# Altium PCB GiroScope.PcbDoc (part 1 of 4) (continued)
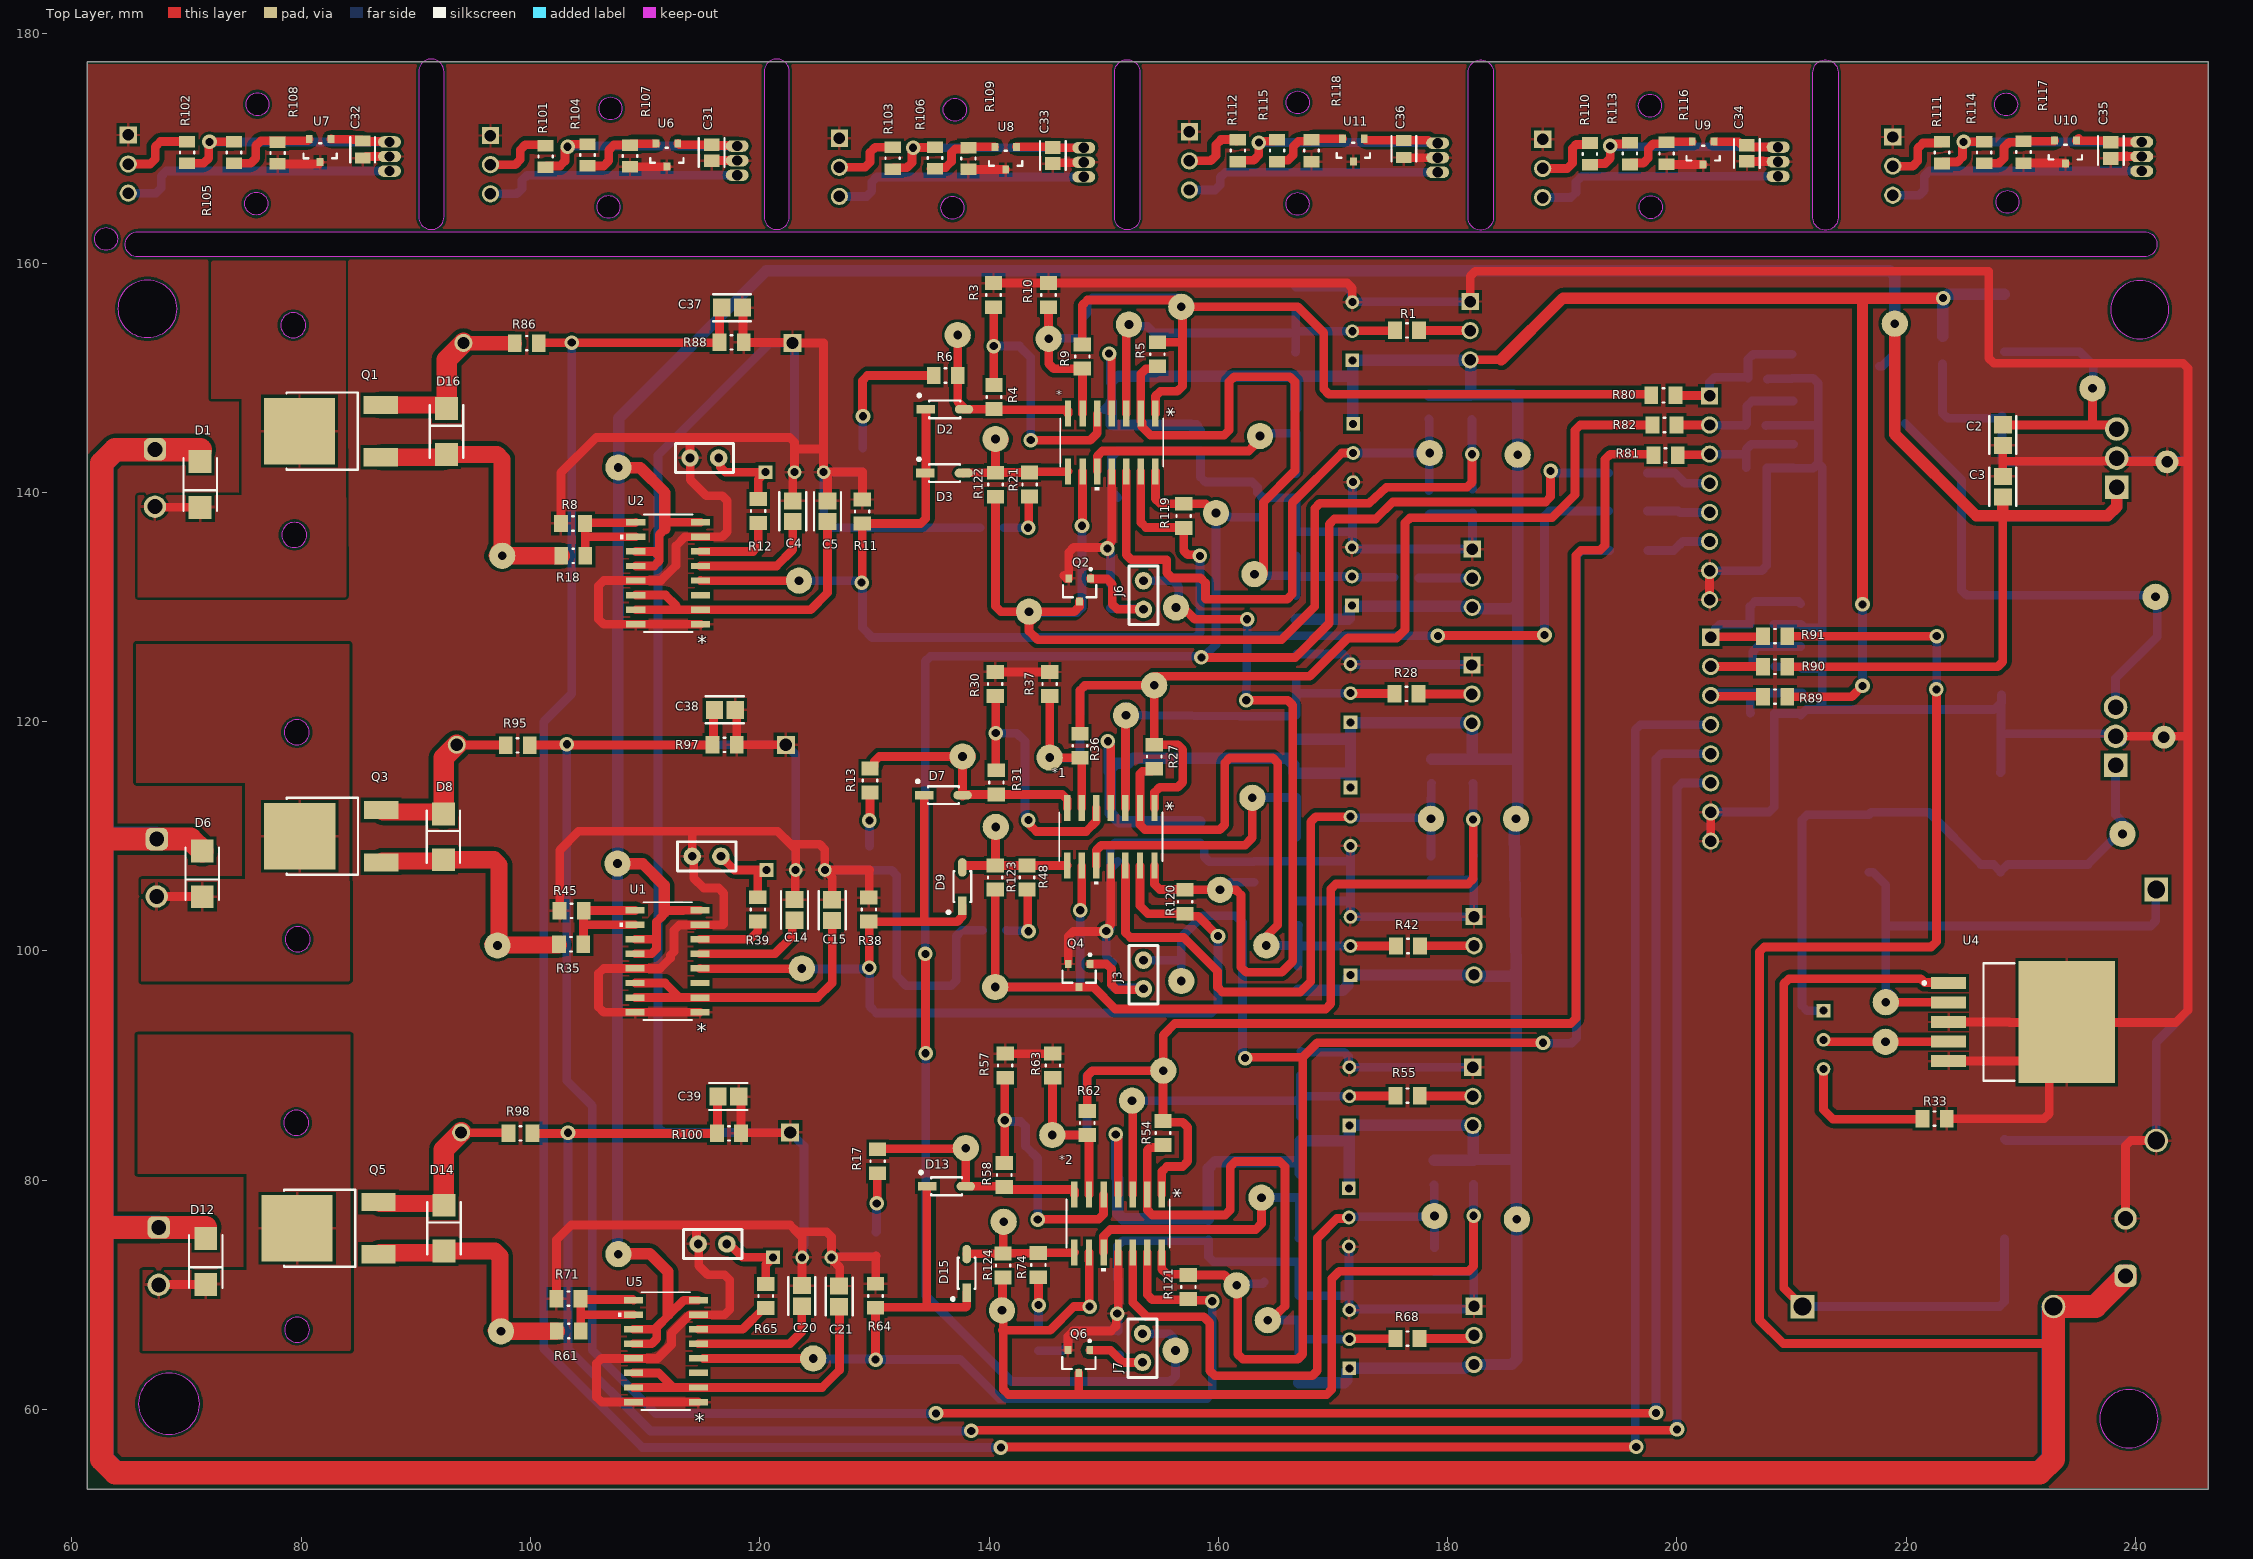
[diagram p0: Top Layer view]
## Components (designator, comment, footprint, x,y, rotation, side; value= is the part's Value field where it differs from the comment)
* "LM324AD_SOIC14" D14-M 150.698,144.348 r270 top
*1 "LM324AD_SOIC14" D14-M 150.622,109.956 r270 top
*2 "LM324AD_SOIC14" D14-M 151.257,76.226 r270 top
C1 "1u" KEMET_C0805C-DN_IPC_A 148.158,154.381 r270 bottom
C2 "10n" KEMET_C0805C-DN_IPC_A 228.422,144.997 r270 top value=10uF
C3 "100n" KEMET_C0805C-DN_IPC_A 228.422,140.487 r90 top value=10uF
C4 "UWX1E101MCL1GB" KEMET_C0805C-DN_IPC_A 122.885,138.354 r270 top
C5 "UWX1E101MCL1GB" KEMET_C0805C-DN_IPC_A 125.908,138.354 r90 top
C6 "EEE1HA101AP" EEEFK1V331P 228.346,142.316 r180 bottom
C7 "EEE1HA101AP" EEEFK1V331P 228.295,126.67 r0 bottom
C8 "EEE1HA101AP" EEEFK1V331P 151.206,75.775 r0 bottom
C9 "1u" KEMET_C0805C-DN_IPC_A 163.805,138.723 r270 bottom
C10 "1u" KEMET_C0805C-DN_IPC_A 158.445,144.526 r90 bottom
C11 "EEE1HA101AP" EEEFK1V331P 228.219,111.22 r180 bottom
C12 "EEE1HA101AP" EEEFK1V331P 228.575,79.229 r180 bottom
C13 "1u" KEMET_C0805C-DN_IPC_A 147.93,119.849 r270 bottom
C14 "UWX1E101MCL1GB" KEMET_C0805C-DN_IPC_A 123.038,103.581 r270 top
C15 "UWX1E101MCL1GB" KEMET_C0805C-DN_IPC_A 126.314,103.556 r90 top
C16 "EEE1HA101AP" EEEFK1V331P 150.673,144.45 r0 bottom
C17 "1u" KEMET_C0805C-DN_IPC_A 163.119,106.883 r270 bottom
C18 "1u" KEMET_C0805C-DN_IPC_A 158.369,110.349 r90 bottom
C19 "1u" KEMET_C0805C-DN_IPC_A 148.539,87.007 r270 bottom
C20 "UWX1E101MCL1GB" KEMET_C0805C-DN_IPC_A 123.673,69.914 r270 top
C21 "UWX1E101MCL1GB" KEMET_C0805C-DN_IPC_A 126.924,69.875 r90 top
C22 "EEE1HA101AP" EEEFK1V331P 150.571,110.471 r0 bottom
C23 "1u" KEMET_C0805C-DN_IPC_A 164.008,72.034 r270 bottom
C24 "1u" KEMET_C0805C-DN_IPC_A 159.131,75.692 r90 bottom
C25 "100pF" KEMET_C0805C-DN_IPC_A 206.985,149.86 r180 bottom
C26 "100pF" KEMET_C0805C-DN_IPC_A 206.846,145.821 r180 bottom
C27 "100pF" KEMET_C0805C-DN_IPC_A 206.934,142.138 r180 bottom
C28 "100pF" KEMET_C0805C-DN_IPC_A 210.896,121.59 r90 bottom
C29 "100pF" KEMET_C0805C-DN_IPC_A 210.795,125.654 r90 bottom
C30 "100pF" KEMET_C0805C-DN_IPC_A 210.795,129.388 r90 bottom
C31 "0.1uF" KEMET_C0805C-DN_IPC_C 115.799,169.621 r90 top
C32 "0.1uF" KEMET_C0805C-DN_MFG 85.369,169.901 r90 top
C33 "0.1uF" KEMET_C0805C-DN_IPC_C 145.567,169.378 r90 top
C34 "0.1uF" KEMET_C0805C-DN_IPC_C 206.104,169.57 r90 top
C35 "0.1uF" KEMET_C0805C-DN_IPC_C 237.846,169.824 r90 top
C36 "0.1uF" KEMET_C0805C-DN_MFG 176.174,169.951 r90 top
C37 "100pF" KEMET_C0805C-DN_IPC_A 117.588,156.108 r180 top
C38 "100pF" KEMET_C0805C-DN_IPC_A 116.955,121.031 r180 top
C39 "100pF" KEMET_C0805C-DN_IPC_A 117.26,87.3 r180 top
CR1 "1N5822RL" DO-201AD_STM 241.808,105.359 r270 bottom
CR2 "1N5822RL" DO-201AD_STM 210.947,68.986 r0 bottom
D1 "SS16" ON_Semi_403D_MFG 71.196,140.691 r90 top
D2 "1N4148W-7-F" Vishay_S8-V-3910_01-001_IPC_A 136.144,147.244 r0 top
D3 "1N4148W-7-F" Vishay_S8-V-3910_01-001_IPC_A 136.119,141.681 r0 top
D4 "LED2" Wurth_Electronics_0_MFG 128.981,142.824 r270 bottom
D5 "LED2" Wurth_Electronics_0_MFG 140.259,136.906 r180 bottom
D6 "SS16" ON_Semi_403D_MFG 71.374,106.731 r90 top
D7 "1N4148W-7-F" Vishay_S8-V-3910_01-001_IPC_A 136.017,113.589 r0 top
D8 "SS16" ON_Semi_403D_MFG 92.405,109.957 r270 top
D9 "1N4148W-7-F" Vishay_S8-V-3910_01-001_IPC_A 137.668,105.613 r90 top
D10 "LED2" Wurth_Electronics_0_MFG 129.565,108.102 r270 bottom
D11 "LED2" Wurth_Electronics_0_MFG 140.479,101.803 r180 bottom
D12 "SS16" ON_Semi_403D_MFG 71.679,72.923 r90 top
D13 "1N4148W-7-F" Vishay_S8-V-3910_01-001_IPC_A 136.297,79.477 r0 top
D14 "SS16" ON_Semi_403D_MFG 92.456,75.819 r270 top
D15 "1N4148W-7-F" Vishay_S8-V-3910_01-001_IPC_A 138.049,71.882 r90 top
D16 "SS16" ON_Semi_403D_MFG 92.685,145.313 r270 top
D17 "LED2" Wurth_Electronics_0_MFG 130.15,74.447 r270 bottom
D18 "LED2" Wurth_Electronics_0_MFG 144.323,66.192 r270 bottom
D19 "1N4148W-7-F" Vishay_S8-V-3910_01-001_IPC_A 195.733,141.681 r0 bottom
D20 "1N4148W-7-F" Vishay_S8-V-3910_01-001_IPC_A 195.733,138.379 r0 bottom
D21 "1N4148W-7-F" Vishay_S8-V-3910_01-001_IPC_A 195.784,134.925 r0 bottom
HS1 "Hall_Sensor" TO-92A 118.034,168.935 r0 bottom
HS2 "Hall_Sensor" TO-92A 87.706,169.291 r0 bottom
HS3 "Hall_Sensor" TO-92A 148.26,168.783 r0 bottom
HS4 "Hall_Sensor" TO-92A 208.813,168.834 r0 bottom
HS5 "Hall_Sensor" TO-92A 240.538,169.291 r0 bottom
HS6 "Hall_Sensor" TO-92A 179.121,169.189 r0 bottom
J1 "691103110003" 691101710002 239.624,74.168 r90 bottom
J2 "691101710002" 691101710002 66.912,107.249 r270 bottom
J3 "Jumper 1x2.54" Jumper_2.54 153.467,99.198 r270 top
J4 "691101710002" 691101710002 66.751,141.249 r270 bottom
J5 "691101710002" 691101710002 67.081,73.381 r270 bottom
J6 "Jumper 1x2.54" Jumper_2.54 153.467,132.294 r270 top
J7 "Jumper 1x2.54" Jumper_2.54 153.391,66.624 r270 top
J8 "Jumper 1x2.54" Jumper_2.54 113.919,143.002 r0 bottom
J9 "Jumper 1x2.54" Jumper_2.54 114.111,108.255 r0 bottom
J10 "Jumper 1x2.54" Jumper_2.54 114.63,74.447 r0 bottom
L1 "7445720" WE-PD2-L 228.549,154.762 r90 bottom
L2 "7445720" WE-PD2-L 217.653,148.503 r90 bottom
L3 "7445720" WE-PD2-L 216.738,109.372 r90 bottom
P1 "61900311121" 61900311121 181.661,154.102 r90 bottom
P2 "61900311121" 61900311121 181.843,132.512 r90 bottom
P3 "61900311121" 61900311121 181.818,122.403 r90 bottom
P4 "61900311121" 61900311121 181.996,100.457 r90 bottom
P5 "61900311121" 61900311121 181.894,87.325 r90 bottom
P6 "61900311121" 61900311121 181.996,66.472 r90 bottom
P7 "61900811121" 61900811121 202.544,139.522 r90 bottom
P8 "61900811121" 61900811121 202.641,118.466 r90 bottom
P9 "61900311121" 61900311121 96.215,168.58 r90 bottom
P10 "61900311121" 61900311121 64.622,168.631 r90 bottom
P11 "61900311121" 61900311121 126.644,168.351 r90 bottom
P12 "61900311121" 61900311121 187.985,168.25 r90 bottom
P13 "61900311121" 61900311121 218.521,168.453 r90 bottom
P14 "61900311121" 61900311121 157.175,168.91 r90 bottom
Q1 "IRLR2905TRPBF" On_Semiconductor_369C_MFG 82.652,145.339 r90 top
Q2 "BC847B,215" BC847B215 147.904,131.496 r180 top
Q3 "IRLR2905TRPBF" On_Semiconductor_369C_MFG 82.673,110.007 r90 top
Q4 "BC847B,215" BC847B215 147.853,97.866 r180 top
Q5 "IRLR2905TRPBF" On_Semiconductor_369C_MFG 82.444,75.819 r90 top
Q6 "BC847B,215" BC847B215 147.828,64.186 r180 top
R1 "50k" Vishay_CRCW0805-e3_IPC_A 176.454,154.127 r180 top
R2 "47k" Vishay_CRCW0805-e3_IPC_A 166.726,151.181 r270 bottom
R3 "1k" Vishay_CRCW0805-e3_IPC_A 140.386,157.201 r90 top
R4 "100k" Vishay_CRCW0805-e3_IPC_A 140.437,148.311 r90 top
R5 "100k" Vishay_CRCW0805-e3_IPC_A 154.686,152.044 r90 top
R6 "1k" Vishay_CRCW0805-e3_IPC_A 136.22,150.19 r0 top
R7 "47k" Vishay_CRCW0805-e3_IPC_A 166.751,156.861 r270 bottom
R8 "100" Vishay_CRCW0805-e3_IPC_A 103.734,134.468 r0 top
R9 "10k" Vishay_CRCW0805-e3_IPC_A 148.133,151.841 r90 top
R10 "1k" Vishay_CRCW0805-e3_IPC_A 145.186,157.201 r90 top
R11 "100k" Vishay_CRCW0805-e3_IPC_A 128.93,138.328 r90 top
R12 "1k" Vishay_CRCW0805-e3_IPC_A 119.863,138.37 r90 top
R13 "1k" Vishay_CRCW0805-e3_IPC_A 129.616,114.859 r90 top
R14 "10k" Vishay_CRCW0805-e3_IPC_A 166.751,146.253 r270 bottom
R15 "50k" Vishay_CRCW0805-e3_IPC_A 176.428,132.537 r180 bottom
R16 "47k" Vishay_CRCW0805-e3_IPC_A 166.802,129.962 r270 bottom
R17 "1k" Vishay_CRCW0805-e3_IPC_A 130.277,81.661 r90 top
R18 "50k" Vishay_CRCW0805-e3_IPC_A 103.708,137.287 r0 top
R19 "10k" Vishay_CRCW0805-e3_IPC_A 182.093,147.396 r270 bottom
R20 "47k" Vishay_CRCW0805-e3_IPC_A 166.802,135.509 r90 bottom
R21 "1k" Vishay_CRCW0805-e3_IPC_A 143.535,140.691 r90 top
R22 "47k" Vishay_CRCW0805-e3_IPC_A 182.169,139.243 r90 bottom
R23 "1k" Vishay_CRCW0805-e3_IPC_A 166.776,140.589 r90 bottom
R24 "1k" Vishay_CRCW0805-e3_IPC_A 178.359,147.438 r90 bottom
R25 "51k" Vishay_CRCW0805-e3_IPC_A 150.597,130.962 r270 bottom
R26 "10k" Vishay_CRCW0805-e3_IPC_A 178.359,139.09 r270 bottom
R27 "100k" Vishay_CRCW0805-e3_IPC_A 154.407,116.942 r90 top
R28 "50k" Vishay_CRCW0805-e3_IPC_A 176.403,122.428 r180 top
R29 "47k" Vishay_CRCW0805-e3_IPC_A 166.802,119.498 r270 bottom
R30 "1k" Vishay_CRCW0805-e3_IPC_A 140.538,123.292 r90 top
R31 "100k" Vishay_CRCW0805-e3_IPC_A 140.64,114.706 r90 top
R33 "1k" Vishay_CRCW0805-e3_IPC_A 222.479,85.369 r180 top
R34 "47k" Vishay_CRCW0805-e3_IPC_A 166.802,124.816 r270 bottom
R35 "100" Vishay_CRCW0805-e3_IPC_A 103.556,100.584 r0 top
R36 "10k" Vishay_CRCW0805-e3_IPC_A 147.93,117.897 r90 top
R37 "1k" Vishay_CRCW0805-e3_IPC_A 145.288,123.282 r90 top
R38 "100k" Vishay_CRCW0805-e3_IPC_A 129.515,103.607 r90 top
R39 "1k" Vishay_CRCW0805-e3_IPC_A 119.837,103.632 r90 top
R41 "10k" Vishay_CRCW0805-e3_IPC_A 166.827,114.468 r270 bottom
R42 "50k" Vishay_CRCW0805-e3_IPC_A 176.539,100.432 r180 top
R43 "47k" Vishay_CRCW0805-e3_IPC_A 166.954,97.612 r270 bottom
R45 "50k" Vishay_CRCW0805-e3_IPC_A 103.597,103.505 r0 top
R46 "9.1k" Vishay_CRCW0805-e3_IPC_A 182.194,115.688 r270 bottom
R47 "47k" Vishay_CRCW0805-e3_IPC_A 166.98,103.302 r90 bottom
R48 "1k" Vishay_CRCW0805-e3_IPC_A 143.307,106.401 r90 top
R49 "10k" Vishay_CRCW0805-e3_IPC_A 182.245,107.248 r90 bottom
R50 "1k" Vishay_CRCW0805-e3_IPC_A 166.802,108.88 r90 bottom
R51 "1k" Vishay_CRCW0805-e3_IPC_A 178.613,115.688 r90 bottom
R52 "51k" Vishay_CRCW0805-e3_IPC_A 150.774,97.952 r270 bottom
R53 "10k" Vishay_CRCW0805-e3_IPC_A 178.537,107.239 r270 bottom
R54 "100k" Vishay_CRCW0805-e3_IPC_A 155.169,84.125 r90 top
R55 "50k" Vishay_CRCW0805-e3_IPC_A 176.514,87.376 r180 top
R56 "47k" Vishay_CRCW0805-e3_IPC_A 167.132,84.515 r270 bottom
R57 "1k" Vishay_CRCW0805-e3_IPC_A 141.402,89.992 r90 top
R58 "100k" Vishay_CRCW0805-e3_IPC_A 141.326,80.467 r90 top
R60 "47k" Vishay_CRCW0805-e3_IPC_A 167.183,90.205 r270 bottom
R61 "100" Vishay_CRCW0805-e3_IPC_A 103.343,66.853 r0 top
R62 "10k" Vishay_CRCW0805-e3_IPC_A 148.565,84.988 r90 top
R63 "1k" Vishay_CRCW0805-e3_IPC_A 145.567,89.992 r90 top
R64 "100k" Vishay_CRCW0805-e3_IPC_A 130.099,69.926 r90 top
R65 "1k" Vishay_CRCW0805-e3_IPC_A 120.523,69.91 r90 top
R67 "10k" Vishay_CRCW0805-e3_IPC_A 167.132,79.578 r270 bottom
R68 "50k" Vishay_CRCW0805-e3_IPC_A 176.505,66.192 r180 top
R69 "47k" Vishay_CRCW0805-e3_IPC_A 167.03,63.398 r270 bottom
R71 "50k" Vishay_CRCW0805-e3_IPC_A 103.318,69.672 r0 top
R72 "9.1k" Vishay_CRCW0805-e3_IPC_A 182.245,80.696 r270 bottom
R73 "47k" Vishay_CRCW0805-e3_IPC_A 167.03,68.885 r90 bottom
R74 "1k" Vishay_CRCW0805-e3_IPC_A 144.297,72.593 r90 top
R75 "10k" Vishay_CRCW0805-e3_IPC_A 182.27,73.127 r90 bottom
R76 "1k" Vishay_CRCW0805-e3_IPC_A 167.03,73.914 r90 bottom
R77 "1k" Vishay_CRCW0805-e3_IPC_A 178.816,80.67 r90 bottom
R78 "51k" Vishay_CRCW0805-e3_IPC_A 151.257,65.811 r270 bottom
R79 "10k" Vishay_CRCW0805-e3_IPC_A 178.867,73.076 r270 bottom
R80 "51k" Vishay_CRCW0805-e3_IPC_A 198.806,148.463 r180 top
R81 "51k" Vishay_CRCW0805-e3_IPC_A 199.009,143.231 r180 top
R82 "51k" Vishay_CRCW0805-e3_IPC_A 198.907,145.872 r180 top
R83 "10k" Vishay_CRCW0805-e3_IPC_A 210.058,151.003 r270 bottom
R84 "10k" Vishay_CRCW0805-e3_IPC_A 210.109,146.914 r270 bottom
R85 "10k" Vishay_CRCW0805-e3_IPC_A 210.16,143.154 r270 bottom
R86 "10k" Vishay_CRCW0805-e3_IPC_A 99.679,153.01 r180 top
R87 "0.1ohm" RES_TUM5_OHM 122.86,153.035 r180 bottom
R88 "10k" Vishay_CRCW0805-e3_IPC_A 117.551,153.086 r0 top
R89 "33k" Vishay_CRCW0805-e3_IPC_A 208.559,122.174 r0 top
R90 "33k" Vishay_CRCW0805-e3_IPC_A 208.559,124.79 r0 top
R91 "51k" Vishay_CRCW0805-e3_IPC_A 208.559,127.457 r0 top
R92 "1k" Vishay_CRCW0805-e3_IPC_A 207.442,120.726 r0 bottom
R93 "1k" Vishay_CRCW0805-e3_IPC_A 207.467,124.841 r0 bottom
R94 "1k" Vishay_CRCW0805-e3_IPC_A 207.416,128.499 r0 bottom
R95 "10k" Vishay_CRCW0805-e3_IPC_A 98.892,117.932 r180 top
R96 "0.1ohm" RES_TUM5_OHM 122.276,117.983 r180 bottom
R97 "10k" Vishay_CRCW0805-e3_IPC_A 116.942,117.983 r0 top
R98 "10k" Vishay_CRCW0805-e3_IPC_A 99.136,84.099 r180 top
R99 "0.1ohm" RES_TUM5_OHM 122.657,84.176 r180 bottom
R100 "10k" Vishay_CRCW0805-e3_IPC_A 117.323,84.099 r0 top
R101 "100" Vishay_CRCW0805-e3_IPC_B 101.321,169.291 r90 top
R102 "100" Vishay_CRCW0805-e3_IPC_B 70.053,169.647 r90 top
R103 "100" Vishay_CRCW0805-e3_IPC_B 131.597,169.139 r90 top
R104 "100" Vishay_CRCW0805-e3_IPC_B 104.978,169.418 r270 top
R105 "100" Vishay_CRCW0805-e3_IPC_B 74.143,169.647 r270 top
R106 "100" Vishay_CRCW0805-e3_IPC_B 135.28,169.164 r270 top
R107 "100" Vishay_CRCW0805-e3_IPC_B 108.687,169.342 r270 top
R108 "100" Vishay_CRCW0805-e3_IPC_B 77.953,169.596 r270 top
R109 "100" Vishay_CRCW0805-e3_IPC_B 138.201,169.113 r270 top
R110 "100" Vishay_CRCW0805-e3_IPC_B 192.405,169.52 r90 top
R111 "100" Vishay_CRCW0805-e3_IPC_B 223.114,169.632 r90 top
R112 "100" Vishay_CRCW0805-e3_IPC_B 161.696,169.799 r90 top
R113 "100" Vishay_CRCW0805-e3_IPC_B 195.893,169.545 r270 top
R114 "100" Vishay_CRCW0805-e3_IPC_B 226.797,169.647 r270 top
R115 "100" Vishay_CRCW0805-e3_IPC_B 165.125,169.799 r270 top
R116 "100" Vishay_CRCW0805-e3_IPC_B 199.093,169.57 r270 top
R117 "100" Vishay_CRCW0805-e3_IPC_B 230.226,169.672 r270 top
R118 "100" Vishay_CRCW0805-e3_IPC_B 168.123,169.799 r270 top
R119 "100k" Vishay_CRCW0805-e3_IPC_A 156.972,137.947 r270 top
R120 "100k" Vishay_CRCW0805-e3_IPC_A 157.099,104.292 r270 top
R121 "100k" Vishay_CRCW0805-e3_IPC_A 157.378,70.698 r270 top
R122 "100k" Vishay_CRCW0805-e3_IPC_A 140.564,140.665 r270 top
R123 "100k" Vishay_CRCW0805-e3_IPC_A 140.538,106.401 r270 top
R124 "100k" Vishay_CRCW0805-e3_IPC_A 141.224,72.568 r270 top
RG1 "Reg_Fairchild_LM7805CT_eec" Fairchild_LM7805CT_0 238.894,142.977 r0 bottom
RP1 "10k" Bourns_3296W_MFG 171.684,154.051 r180 bottom
RP2 "10k" Bourns_3296W_MFG 171.653,132.664 r180 bottom
RP3 "10k" Bourns_3296W_MFG 123.038,141.752 r90 bottom
RP4 "10k" Bourns_3296W_MFG 171.75,143.434 r0 bottom
RP5 "50k" Bourns_3296W_MFG 212.771,92.253 r0 bottom
RP6 "10k" Bourns_3296W_MFG 171.531,122.479 r180 bottom
RP7 "10k" Bourns_3296W_MFG 171.531,100.432 r180 bottom
RP8 "10k" Bourns_3296W_MFG 123.139,107.061 r90 bottom
RP9 "10k" Bourns_3296W_MFG 171.521,111.709 r0 bottom
RP10 "10k" Bourns_3296W_MFG 171.43,87.325 r180 bottom
RP11 "10k" Bourns_3296W_MFG 171.43,66.142 r180 bottom
RP12 "10k" Bourns_3296W_MFG 123.698,73.274 r90 bottom
RP13 "10k" Bourns_3296W_MFG 171.374,76.759 r0 bottom
TP1 "Test_Point_PCB" Test_Point 236.245,149.073 r0 bottom
TP2 "Test_Point_PCB" Test_Point 107.671,142.164 r180 bottom
TP3 "Test_Point_PCB" Test_Point 143.485,129.591 r180 bottom
TP4 "Test_Point_PCB" Test_Point 238.862,110.211 r180 bottom
TP5 "Test_Point_PCB" Test_Point 241.732,130.886 r180 bottom
TP6 "Test_Point_PCB" Test_Point 178.435,143.434 r180 bottom
TP7 "Test_Point_PCB" Test_Point 186.106,143.281 r180 bottom
TP8 "Test_Point_PCB" Test_Point 145.202,153.39 r90 bottom
TP9 "Test_Point_PCB" Test_Point 156.769,156.185 r180 bottom
TP10 "Test_Point_PCB" Test_Point 152.197,154.635 r90 bottom
TP11 "Test_Point_PCB" Test_Point 97.542,134.468 r0 bottom
TP12 "Test_Point_PCB" Test_Point 123.426,132.296 r90 bottom
TP13 "Test_Point_PCB" Test_Point 163.144,132.867 r90 bottom
TP14 "Test_Point_PCB" Test_Point 163.627,144.907 r90 bottom
TP15 "Test_Point_PCB" Test_Point 140.564,144.653 r90 bottom
TP16 "Test_Point_PCB" Test_Point 156.312,129.946 r180 bottom
TP17 "Test_Point_PCB" Test_Point 159.791,138.201 r90 bottom
TP18 "Test_Point_PCB" Test_Point 218.211,95.529 r270 bottom
TP19 "Test_Point_PCB" Test_Point 218.186,92.075 r270 bottom
TP20 "Test_Point_PCB" Test_Point 185.965,111.531 r90 bottom
TP21 "Test_Point_PCB" Test_Point 154.407,123.165 r90 bottom
TP22 "Test_Point_PCB" Test_Point 145.288,116.865 r90 bottom
TP23 "Test_Point_PCB" Test_Point 151.943,120.548 r90 bottom
TP24 "Test_Point_PCB" Test_Point 123.673,98.476 r90 bottom
TP25 "Test_Point_PCB" Test_Point 97.13,100.482 r90 bottom
TP26 "Test_Point_PCB" Test_Point 107.594,107.62 r90 bottom
TP27 "Test_Point_PCB" Test_Point 164.186,100.482 r90 bottom
TP28 "Test_Point_PCB" Test_Point 162.966,113.36 r0 bottom
TP29 "Test_Point_PCB" Test_Point 140.589,110.82 r90 bottom
TP30 "Test_Point_PCB" Test_Point 140.538,96.85 r90 bottom
TP31 "Test_Point_PCB" Test_Point 156.769,97.384 r90 bottom
TP32 "Test_Point_PCB" Test_Point 160.147,105.334 r90 bottom
TP33 "Test_Point_PCB" Test_Point 178.537,111.531 r90 bottom
TP34 "Test_Point_PCB" Test_Point 218.999,154.711 r90 bottom
TP35 "Test_Point_PCB" Test_Point 186.035,76.601 r90 bottom
TP36 "Test_Point_PCB" Test_Point 155.194,89.56 r90 bottom
TP37 "Test_Point_PCB" Test_Point 145.517,83.947 r90 bottom
TP38 "Test_Point_PCB" Test_Point 152.476,86.944 r0 bottom
TP39 "Test_Point_PCB" Test_Point 124.663,64.465 r90 bottom
TP40 "Test_Point_PCB" Test_Point 97.434,66.827 r90 bottom
TP41 "Test_Point_PCB" Test_Point 107.671,73.558 r90 bottom
TP42 "Test_Point_PCB" Test_Point 164.313,67.793 r90 bottom
TP43 "Test_Point_PCB" Test_Point 163.754,78.486 r90 bottom
TP44 "Test_Point_PCB" Test_Point 141.275,76.378 r90 bottom
TP45 "Test_Point_PCB" Test_Point 141.122,68.656 r90 bottom
TP46 "Test_Point_PCB" Test_Point 156.261,65.151 r90 bottom
TP47 "Test_Point_PCB" Test_Point 161.595,70.841 r90 bottom
TP48 "Test_Point_PCB" Test_Point 178.841,76.886 r90 bottom
TP49 "Test_Point_PCB" Test_Point 137.262,153.721 r90 bottom
TP50 "Test_Point_PCB" Test_Point 137.693,116.967 r90 bottom locked
TP51 "Test_Point_PCB" Test_Point 137.973,82.804 r90 bottom
U1 "TL494ID" D16-M 111.963,99.111 r180 top
U2 "TL494ID" D16-M 112.014,132.944 r180 top
U3 "LM7812CT" Fairchild_LM7805CT_0 238.792,118.72 r0 bottom
U4 "LM2576" ON_Semiconductor_936A-02_MFG 230.175,93.802 r270 top
U5 "TL494ID" D16-M 111.817,65.1 r180 top
U6 "IC_Nexperia_TL431AQDBZR,215_eec" Nexperia_TL431AQDBZR,215_0 111.902,169.409 r180 top
U7 "IC_Nexperia_TL431AQDBZR,215_eec" Nexperia_TL431AQDBZR,215_0 81.661,169.799 r180 top
U8 "IC_Nexperia_TL431AQDBZR,215_eec" Nexperia_TL431AQDBZR,215_0 141.453,169.139 r180 top
U9 "IC_Nexperia_TL431AQDBZR,215_eec" Nexperia_TL431AQDBZR,215_0 202.283,169.586 r180 top
U10 "IC_Nexperia_TL431AQDBZR,215_eec" Nexperia_TL431AQDBZR,215_0 233.883,169.672 r180 top
U11 "IC_Nexperia_TL431AQDBZR,215_eec" Nexperia_TL431AQDBZR,215_0 171.77,169.84 r180 top
Z1 "MM3Z5V1ST1G" SOD2512X110N 223.164,152.4 r270 bottom

## Footprints (in the part's own frame and the unit in brackets; to place one, negate y for a bottom-side part, rotate by r counter-clockwise, add the part's x,y. Pads: shape width x height; smd on the part's side, far side on the other; paste and mask are expansions set on the pad)
61900311121 [mm] "2.54mm Male Locking Header, 3p"
  rect 1.5x1.5 hole 1: 1(2.54,0.3)
  round 1.5 hole 1: 2(0,0.3) 3(-2.54,0.3)
  silkscreen extent -3.98,-3.52 3.98,2.98, body extent -3.81,-2.9 3.81,2.9, height 11.53
61900811121 [mm] "2.54mm Male Locking Header, 8p"
  rect 1.5x1.5 hole 1: 1(8.89,0.3)
  round 1.5 hole 1: 2(6.35,0.3) 3(3.81,0.3) 4(1.27,0.3) 5(-1.27,0.3) 6(-3.81,0.3) 7(-6.35,0.3) 8(-8.89,0.3)
  silkscreen extent -10.33,-3.52 10.33,2.98, body extent -10.16,-2.9 10.16,2.9, height 11.53
691101710002 [mm] "5,00mm - modular - blue - Horizontal entry with pressure clamp - 12,6mm height - 02p"
  rrect50% 1.95x1.95 hole 1.3: 1(-2.5,-0.5)
  round 1.95 hole 1.3: 2(2.5,-0.5)
  silkscreen extent -5.6,-4.5 5.6,4.5, body extent -5.6,-4.5 5.6,4.5, height 12.65
BC847B215 [mm]
  rect 0.6x0.7 smd: 1(-0.95,-1) 2(0.95,-1) 3(0,1)
  silkscreen extent -1.45,-1.9 1.45,0.65, body extent -1.45,-1.2 1.45,1.2, height 0.95
Bourns_3296W_MFG [mm]
  rect 1.2x1.2 hole 0.7 paste-1000 mask+0: 1(0.005,-2.54)
  round 1.2 hole 0.7 paste-1000 mask+0: 2(0.005,0) 3(0.005,2.54)
  silkscreen extent -2.48,-4.89 2.48,4.89, body extent -2.41,-4.76 2.42,4.77, height 12.05
D14-M [mm]
  rect 2.27x0.558 smd paste+0 mask+0: 1(-2.514,3.81) 2(-2.514,2.54) 3(-2.514,1.27) 4(-2.514,0) 5(-2.514,-1.27) 6(-2.514,-2.54) 7(-2.514,-3.81) 8(2.514,-3.81) 9(2.514,-2.54) 10(2.514,-1.27) 11(2.514,0) 12(2.514,1.27) 13(2.514,2.54) 14(2.514,3.81)
  silkscreen extent -2.12,-4.5 4.16,4.5, body extent -3.1,-4.37 3.1,4.37, height 1.76
D16-M [mil]
  rect 65.5x22 smd paste+0 mask+0: 1(-111.25,175) 2(-111.25,125) 3(-111.25,75) 4(-111.25,25) 5(-111.25,-25) 6(-111.25,-75) 7(-111.25,-125) 8(-111.25,-175) 9(111.25,-175) 10(111.25,-125) 11(111.25,-75) 12(111.25,-25) 13(111.25,25) 14(111.25,75) 15(111.25,125) 16(111.25,175)
  silkscreen extent -84,-202 164,202, body extent -122,-197 122,197, height 69
DO-201AD_STM [mil]
  rect 81x81 hole 61 mask+0: 1(0,0)
  round 81 hole 61 mask+0: 2(862,0)
  silkscreen extent -151,-110 623,109, body extent -26,-105 887,105, height 209
EEEFK1V331P [mm]
  rect 2x4.1 smd: 1(0,-4.35) 2(0,4.35)
  silkscreen extent -5.15,-7 5.15,5.15, body extent -5.15,-5.85 5.15,5.85, height 10.3
Fairchild_LM7805CT_0 [mm]
  rect 2.05x2.05 hole 1.35 paste-1000 mask+0: 1(-0.54,2.535)
  round 2.05 hole 1.35 paste-1000 mask+0: 2(-0.54,0) 3(-0.54,-2.54)
  silkscreen extent -2.18,-5.08 2.18,5.7, body extent -2.1,-5.09 2.11,5.07, height 21.88
Jumper_2.54 [mil]
  round 60 hole 30: 1(0,0) 2(98.43,0)
  silkscreen extent -50,-50 150,50
KEMET_C0805C-DN_IPC_A [mm]
  rect 1.505x1.556 smd paste+0 mask+0: 1(-0.901,0) 2(0.901,0)
  silkscreen extent -1.65,-1.18 1.65,1.18, body extent -1,-0.63 1,0.63, height 0.88
KEMET_C0805C-DN_IPC_C [mm]
  rect 1.105x1.356 smd paste+0 mask+0: 1(-0.701,0) 2(0.701,0)
  silkscreen extent -1.25,-1.12 1.25,1.12, body extent -1.35,-0.82 1.35,0.82, height 0.25
KEMET_C0805C-DN_MFG [mm]
  rect 0.95x1.35 smd paste+0 mask+0: 1(-0.75,0) 2(0.75,0)
  silkscreen extent -1.1,-1.07 1.1,1.07, body extent -1.4,-0.85 1.4,0.85, height 0.25
Nexperia_TL431AQDBZR,215_0 [mm]
  rect 0.6x0.7 smd paste-1000 mask+0: 1(-0.95,-1) 2(0.95,-1) 3(0,1)
  silkscreen extent -1.45,-0.65 1.45,0.65, body extent -1.6,-1.45 1.6,1.45, height 0.25
ON_Semi_403D_MFG [mm]
  rect 2x2 smd paste+0 mask+0: 1(-2,0) 2(2,0)
  silkscreen extent -2.28,-1.46 2.28,1.46, body extent -3.1,-1.56 3.1,1.56, height 0.25
On_Semiconductor_369C_MFG [mm]
  rect 1.6x3 smd paste+0 mask+0: 1(-2.285,-4.3) 3(2.285,-4.3)
  rect 5.8x6.2 smd paste+0 mask+0: 4(0,2.79)
  silkscreen extent -3.36,-2.28 3.36,3.94, body extent -3.46,-5.9 3.46,5.99, height 0.25
ON_Semiconductor_936A-02_MFG [mm]
  rect 1.016x3.05 smd paste+0 mask+0: 1(-3.404,-6.485) 2(-1.702,-6.485) 3(0,-6.485) 4(1.702,-6.485) 5(3.404,-6.485)
  rect 10.66x8.38 smd paste+0 mask+0: 6(0,3.82)
  silkscreen extent -5.12,-8.72 5.12,-0.75, body extent -5.43,-8.11 5.43,8.11, height 0.25
RES_TUM5_OHM [mil]
  rect 62x62 hole 42 mask+0: 1(0,0)
  round 62 hole 42 mask+0: 2(1130,0)
  silkscreen extent 125,-200 1005,200, body extent -16,-195 1146,195, height 390
SOD2512X110N [mm]
  rect 1x0.5 smd: 1(-1.2,0) 2(1.2,0)
  silkscreen extent -1.7,-0.63 0.85,0.63, body extent -1.25,-0.63 1.25,0.63, height 1.1
Test_Point [mil]
  round 90 hole 30 unplated paste+4 mask+4: 1(0,0)
TO-92A [mm] "TO, Flat Index; 3 In-Line, Axial Leads; Body Dia. 4.5mm; Leads 0.51 x 0.48 mm (max)"
  oval 2x1 hole 0.9: 1(0,-1.27) 2(0,0) 3(0,1.27)
  silkscreen extent -2.48,-2.95 1.5,2.48, body extent -2.48,-2.5 1.5,2.5, height 6.86
Vishay_CRCW0805-e3_IPC_A [mil]
  rect 47.5x59.38 smd paste+0 mask+0: 1(-41.37,0) 2(41.37,0)
  silkscreen extent -3,-25 3,25, body extent -85,-49 85,49, height 10
Vishay_CRCW0805-e3_IPC_B [mm]
  rect 1.007x1.408 smd paste+0 mask+0: 1(-0.951,0) 2(0.951,0)
  silkscreen extent -0.07,-0.63 0.07,0.63, body extent -1.7,-0.95 1.7,0.95, height 0.25
Vishay_S8-V-3910_01-001_IPC_A [mm]
  rect 1.607x0.762 smd paste+0 mask+0: 1(-1.676,0)
  rrect100% 1.607x0.762 smd paste+0 mask+0: 2(1.676,0)
  silkscreen extent -2.36,-0.77 1.35,1.33, body extent -2.98,-1.28 2.98,1.28, height 0.25
WE-PD2-L [mm] "SMD Inductor, 2-Leads, Body 7.8 x 7.0 mm"
  rect 3x7.5 smd: 1(-2.5,0) 2(2.5,0)
  silkscreen extent -0.87,-3.5 0.87,3.5, body extent -3.81,-3.5 3.81,3.5, height 4.89
Wurth_Electronics_0_MFG [mm]
  rect 1.1x1.2 smd paste+0 mask+0: 1(-1.05,0) 2(1.05,0)
  silkscreen extent -2.27,-0.67 0.13,0.67, body extent -1,-0.63 1,0.63, height 0.8

## Part data
C1 C4 C5 C9 C10 C13 C14 C15 C17 C18 C19 C20 C21 C23 C24 C25 C26 C27 C28 C29 C30 C37 C38 C39: library part C0805C104J4RACTU
C2 C3: library part "Cap Pol2", "Polarized Capacitor (Axial)", LatestRevisionDate=17-Jul-2002, LatestRevisionNote="Re-released for DXP Platform.", PackageDescription="Polarized Capacitor; 2 Leads", PackageReference=POLAR0.8, Published=8-Jun-2000, Publisher="Altium Limited"
C6 C7 C8 C11 C12 C16 C22: "Capacitor Polarised", Manufacturer_Name=Panasonic, Datasheet Link=http://industrial.panasonic.com/cdbs/www-data/pdf/RDE0000/ABA0000C1142.pdf, Manufacturer_Part_Number=EEE1HA101AP
C31 C32 C33 C34 C35 C36: library part C0805C104J4RACTU, "100pF"
CR1 CR2: "No Description Available", Mfr_Name=STMicroelectronics, Copyright="Copyright (C) 2022 Ultra Librarian. All rights reserved.", Manufacturer_Part_Number=1N5822RL, RefDes=RefDes, Type=DEV
D4 D5 D10 D11 D17 D18: "Typical RED, GREEN, YELLOW, AMBER GaAs LED", LatestRevisionDate=17-Jul-2002, LatestRevisionNote="Re-released for DXP Platform.", PackageDescription="SM LED; 2 Flat Leads", PackageReference=3.2X1.6X1.1, PackageVersion=Feb-2002, Published=8-Jun-2000, Publisher="Altium Limited"
J1: library part 691101710002, "WR-TBL Series 101 Horizontal Entry Modular, Through Hole, pitch 5mm, 2p", Manufacturer="Wurth Elektronik", Operating Temperature Max=105°C, Operating Temperature Min=-40°C, Rated Current=16A, Working Voltage=250V, Application="Pressure Clamp", Category="Terminal Blocks", ComponentLink1Description="Manufacturer Link", ComponentLink1URL=https://www.we-online.com/redexpert/article/691101710002?ad, ComponentLink2Description=Datasheet, ComponentLink2URL=https://www.we-online.com/redexpert/spec/691101710002?ad, Manufacturer Part Number=691101710002, Match Code=WR-TBL, Modularity=Yes, Mount="Through Hole", Orientation=Horizontal, Packaging=Box, PCB/Cable/Panel=PCB, Pin Number=2, Pitch=5mm
J2 J4 J5: "WR-TBL Series 101 Horizontal Entry Modular, Through Hole, pitch 5mm, 2p", Manufacturer="Wurth Elektronik", Operating Temperature Max=105°C, Operating Temperature Min=-40°C, Rated Current=16A, Working Voltage=250V, Application="Pressure Clamp", Category="Terminal Blocks", ComponentLink1Description="Manufacturer Link", ComponentLink1URL=https://www.we-online.com/redexpert/article/691101710002?ad, ComponentLink2Description=Datasheet, ComponentLink2URL=https://www.we-online.com/redexpert/spec/691101710002?ad, Manufacturer Part Number=691101710002, Match Code=WR-TBL, Modularity=Yes, Mount="Through Hole", Orientation=Horizontal, Packaging=Box, PCB/Cable/Panel=PCB, Pin Number=2, Pitch=5mm
L1 L2 L3: "SMD-Power Inductor WE-PD4, L = 100 µH", Inductance="100 ÂµH", ComponentLink1Description="Manufacturer Link", ComponentLink1URL=http://www.we-online.com, ComponentLink2Description=Datasheet, ComponentLink2URL=http://www.we-online.de/katalog/media/pdf/7445720.pdf, DatasheetVersion="ver 1, Oct-2004", PackageDescription="SMD Inductor, 2-Leads, Body 22.0 x 15.0 mm", PackageReference=WE-PD4-XL, PackageVersion=2004, PartNumber=7445720
P1 P2 P3 P4 P5 P6 P9 P10 P11 P12 P13 P14: "WR-WTB THT Male Vertical Locking Header, pitch 2.54mm, 3p", Contact Resistance=20mOhm, Operating Temperature="-40 to +105degC", Rated Current=3A, Withstanding Voltage=1000VAC, Working Voltage=250VAC, ComponentLink1Description=Manufacturer, ComponentLink1URL=http://www.we-online.de, ComponentLink2Description=Datasheet, ComponentLink2URL=https://www.we-online.com/catalog/datasheet/61900311121.pdf, Gender=Male, Mounting Technology=THT, Packaging=Bag, Part Number=61900311121, Pin Number=3, Pitch=2.54mm, Published Date="January 2020", Publisher="Wurth Elektronik", Type=Vertical
P7 P8: "WR-WTB THT Male Vertical Locking Header, pitch 2.54mm, 8p", Contact Resistance=20mOhm, Operating Temperature="-40 to +105degC", Rated Current=3A, Withstanding Voltage=1000VAC, Working Voltage=250VAC, ComponentLink1Description=Manufacturer, ComponentLink1URL=http://www.we-online.de, ComponentLink2Description=Datasheet, ComponentLink2URL=https://www.we-online.com/catalog/datasheet/61900811121.pdf, Gender=Male, Mounting Technology=THT, Packaging=Bag, Part Number=61900811121, Pin Number=8, Pitch=2.54mm, Published Date="January 2020", Publisher="Wurth Elektronik", Type=Vertical
Q2 Q4 Q6: "Transistor BJT NPN", Manufacturer_Name=Nexperia, Mouser Part Number=771-BC847B-T/R, Arrow Part Number=BC847B,215, Arrow Price/Stock=https://www.arrow.com/en/products/bc847b215/nexperia?region=nac, Datasheet Link=https://assets.nexperia.com/documents/data-sheet/BC847_SER.pdf, Height=1.1mm, Manufacturer_Part_Number=BC847B,215, Mouser Price/Stock=https://www.mouser.co.uk/ProductDetail/Nexperia/BC847B215?qs=me8TqzrmIYXXIdUoxWnHgw%3D%3D
R1 R4 R5 R6 R9 R12 R13 R14 R15 R17 R19 R21 R27 R28 R31 R36 R39 R41 R42 R48 R54 R55 R58 R62 R65 R67 R68 R74 R92 R93 R94 R119 R120 R121 R122 R123 R124: library part CRCW08050000Z0EA
R2 R16 R29 R43 R56 R69: library part CRCW08050000Z0EA, "9.1k"
R3 R8 R10 R11 R18 R23 R25 R30 R33 R35 R37 R38 R45 R46 R50 R52 R57 R61 R63 R64 R71 R72 R76 R78 R101 R102 R103 R104 R105 R106 R107 R108 R109 R110 R111 R112 R113 R114 R115 R116 R117 R118: library part CRCW08050000Z0EA, "10k"
R7 R20 R26 R34 R47 R53 R60 R73 R79 R83 R84 R85 R88 R97 R100: library part CRCW08050000Z0EA, "1k"
R22 R49 R75: library part CRCW08050000Z0EA, "51k"
R24 R51 R77 R80 R81 R82 R86 R89 R90 R91 R95 R98: library part CRCW08050000Z0EA, "7.5k"
R87 R96 R99: library part TUW5JR10E, "No Description Available", Mfr_Name=Ohmite, Copyright="Copyright (C) 2022 Ultra Librarian. All rights reserved.", Manufacturer_Part_Number=TUW5JR10E, RefDes=RefDes, Type=DEV
RG1: "REG IC REG LINEAR 5V 1A TO220AB", Current-Output=1A, Digikey Part Number=LM7805CT-ND, Manufacturer=Fairchild, Mouser Part Number=512-LM7805CT, Package=TO220, Part Number=LM7805CT, Temperature="-40°C to +125°C", Temperature Range High=+125°C, Temperature Range Low=-40°C, Voltage - Input (Max)=35V, Voltage - Output=5V, Voltage Dropout (Max)="2V @ 1A (Typ)", ComponentLink1Description=Upverter, ComponentLink1URL=https://upverter.com/upn/revision/b27a7358b7dd93a3/, ComponentLink2Description=Datasheet, ComponentLink2URL=https://www.fairchildsemi.com/datasheets/LM/LM7805.pdf, Digikey Description="REG IC REG LINEAR 5V 1A TO220AB", helpURL=https://upverter.com/upn/revision/b27a7358b7dd93a3/, Ipc Land Pattern Name=TO-220, Lead Free=yes, Price=0.384521982769, RoHS=TRUE, Supplier 1=Digi-Key, Supplier 2=Mouser, Supplier Part Number 1=LM7805CT-ND, Supplier Part Number 2=512-LM7805CT
RP1 RP2 RP3 RP4 RP5 RP6 RP7 RP8 RP9 RP10 RP11 RP12 RP13: library part 3296W-1-202LF
TP1 TP2 TP3 TP4 TP5 TP6 TP7 TP8 TP9 TP10 TP11 TP12 TP13 TP14 TP15 TP16 TP17 TP18 TP19 TP20 TP21 TP22 TP23 TP24 TP25 TP26 TP27 TP28 TP29 TP30 TP31 TP32 TP33 TP34 TP35 TP36 TP37 TP38 TP39 TP40 TP41 TP42 TP43 TP44 TP45 TP46 TP47 TP48 TP49 TP50 TP51: library part TP_PCB?, "Test_Point"
U1 U2 U5: "Pulse-Width-Modulation Control Circuit with Voltage Control, 45 % Duty Cycle, -40 to +85 degC, 16-pin SOIC (D), Green (RoHS & no Sb/Br)", Frequency(Max)(kHz)=300, Manufacturer="Texas Instruments", Rating=Military, Code_JEDEC=MS-012AC, ComponentLink1Description=Datasheet, ComponentLink1URL=http://www.ti.com/general/docs/lit/getliterature.tsp?genericPartNumber=TL494&fileType=pdf, Control Method=Voltage, DatasheetVersion=SLVS074E, Duty Cycle(Max)(%)=45, Eco-Plan="Green (RoHS & no Sb/Br)", Mounting Technology="Surface Mount", PackageDescription="16-Pin Plastic Small Outline Integrated Circuit, 9.9 x 3.9 mm, Pitch 1.27 mm Pitch", PackageReference=D16, PackageVersion="revM, Jun-2011", PartNumber=TL494ID, Regulated Outputs(#)=2, SubFamily="PWM Controller", Topology="Boost, Buck, Flyback, Forward, Full-Bridge, Half-Bridge, Push-Pull"
U4: library part LM2576D2T-005G
U6 U7 U8 U9 U10 U11: "IC VREF SHUNT ADJ SOT23-3", Current - Cathode=600µA, Current - Output=100mA, Digikey Part Number=1727-4259-1-ND, Manufacturer=Nexperia, Mouser Part Number=771-TL431AQDBZR215, Operating Temperature="-40°C ~ 125°C", Package="TO-236-3, SC-59, SOT-23-3", Part Number=TL431AQDBZR,215, Standard Package=1, Temperature="-40°C to +125°C", Temperature Range High=+125°C, Temperature Range Low=-40°C, Tolerance=±1%, Voltage - Input="2.495 V ~ 36 V", ComponentLink1Description=Upverter, ComponentLink1URL=https://upverter.com/upn/revision/897efb4cb52176e6/, ComponentLink2Description=Datasheet, ComponentLink2URL=http://assets.nexperia.com/documents/data-sheet/TL431_FAM.pdf, Digikey Description="IC VREF SHUNT ADJ SOT23-3", helpURL=https://upverter.com/upn/revision/897efb4cb52176e6/, Lead Free=yes, Mounting Type="Surface Mount", Number of Channels=1, Other Names=568-4890-6, Packaging=Digi-Reel®, Price=0.155797334872, Reference Type="Shunt, Adjustable, Precision", RoHS=TRUE, Supplier 1=Digi-Key, Supplier 2=Mouser, Supplier Part Number 1=1727-4259-1-ND, Supplier Part Number 2=771-TL431AQDBZR215, Voltage - Output="2.495 V ~ 36 V"
Z1: "Zener Diode", Manufacturer_Name=onsemi, Mouser Part Number=863-MM3Z5V1ST1G, Arrow Part Number=MM3Z5V1ST1G, Arrow Price/Stock=https://www.arrow.com/en/products/mm3z5v1st1g/on-semiconductor?region=nac, Datasheet Link=http://www.onsemi.com/pub/Collateral/MM3Z2V4ST1-D.PDF, Height=1.1mm, Manufacturer_Part_Number=MM3Z5V1ST1G, Mouser Price/Stock=https://www.mouser.co.uk/ProductDetail/onsemi/MM3Z5V1ST1G?qs=HVbQlW5zcXXFXX%2FQxsNWFg%3D%3D